# KiCad board Oblique Palette 0.3 PCB.kicad_pcb (continued)
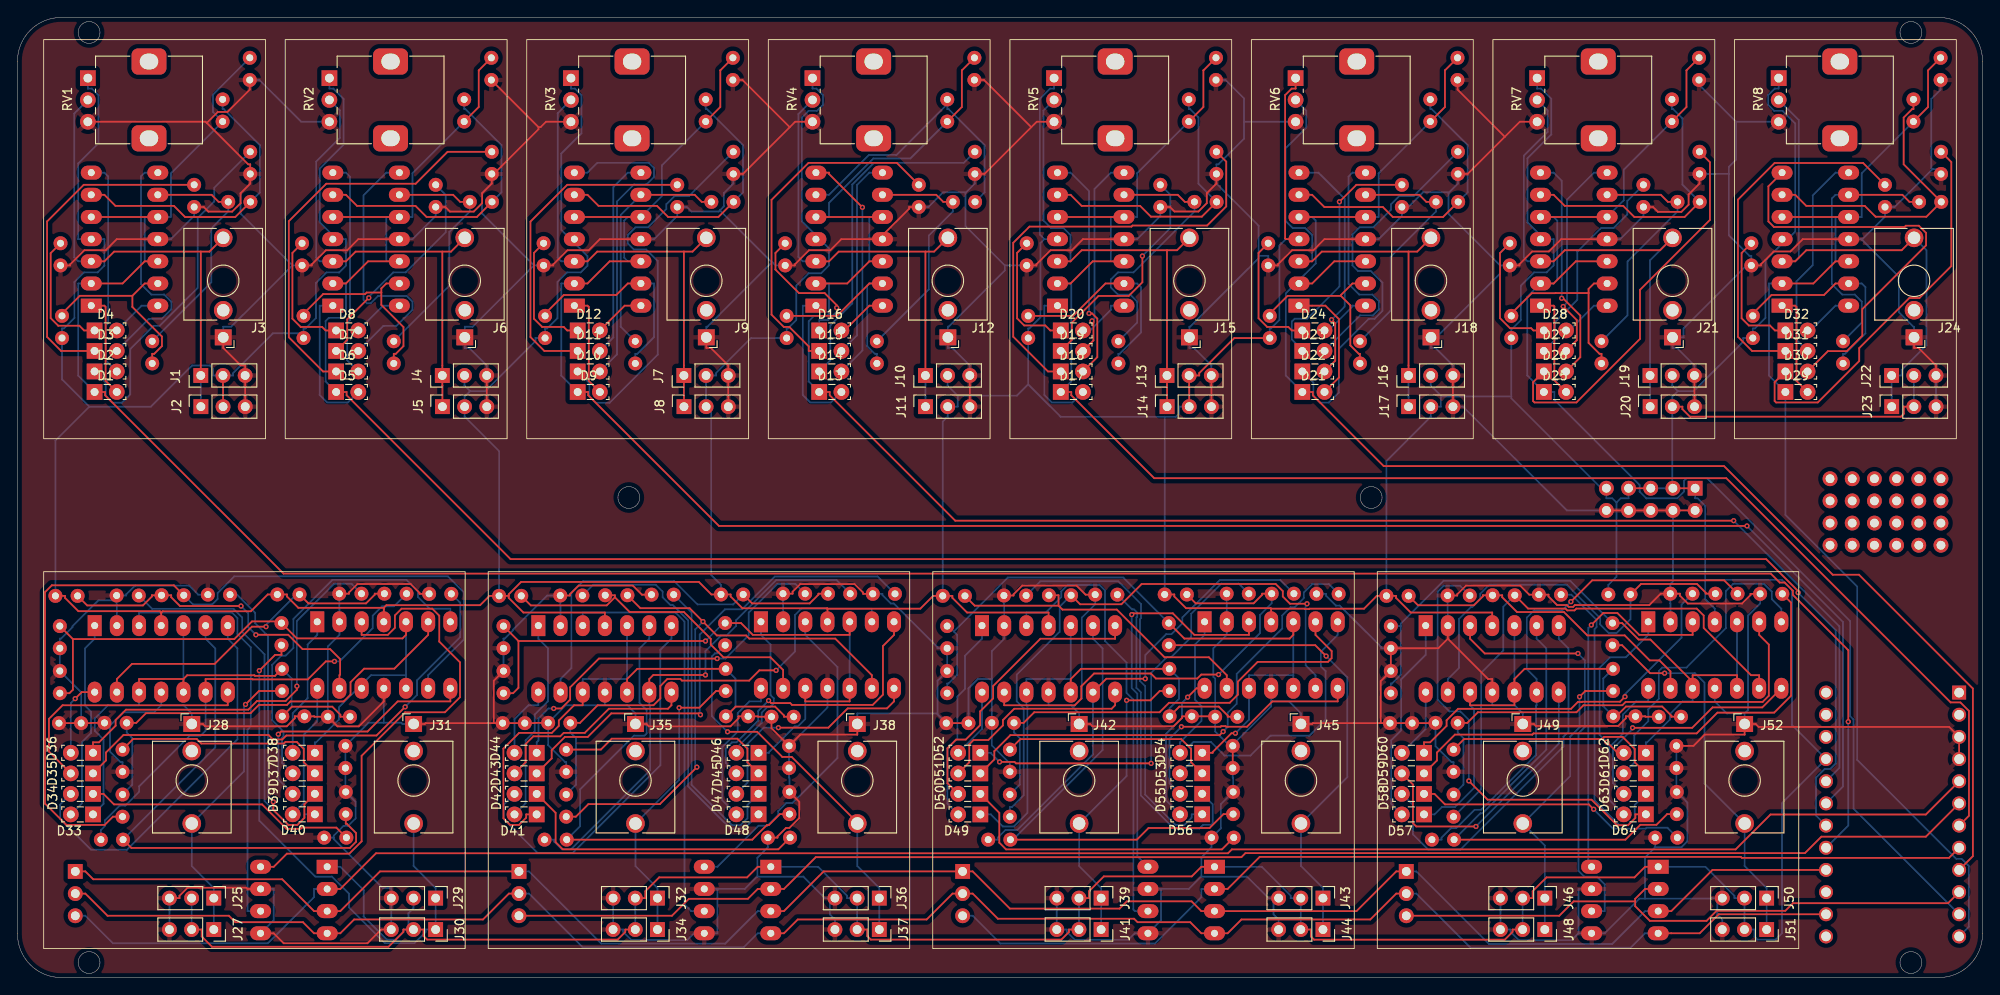
[diagram p0: board, top side]
## Routing (per net, layer and track width the routed paths; a pad name or vN(x,y) marks a point on that pad's centre or on a via; arc(x,y) is an arc through that point) (continued)
  Bottom w0.2: R120.1 126.62,45.83 113.4,45.83 107.21,39.64 ; v1(139.46,27.99) 141,29.54 141,34.64 146.09,34.64 ; U18.10 146.09,34.64 ; 146.09,34.64 U18.5 ; 107.21,39.64 107.59,39.26 107.59,34.68 106.59,33.68 106.45,33.68 R122.2 ; 107.21,39.64 106.58,40.27 R121.1
Net-(D54-A): length 33.9
  Bottom w0.2: 151.16,40.76 151.16,39.26 149.24,37.34 149.24,35.65 149.78,35.11 149.78,29.56 147.94,27.72 143.46,27.72 141.18,25.43 138.2,25.43 136.64,26.99 134.66,26.99 134.38,26.72 134.38,24.67 D54.2
Net-(D54-K): length 25
  Top w0.2: R125.1 114.83,27.32 133.25,27.32 134.38,26.19 134.38,24.67 D54.1
Net-(D55-A): length 29.4
  Top w0.2: v1(133.27,28.74) 137.76,28.74 137.83,28.8 138.32,28.8 138.39,28.74 140.78,28.74 143.69,31.64 151.16,31.64 151.16,33.14
  Bottom w0.2: D55.2 131.9,22.26 131.9,27.37 v1(133.27,28.74)
Net-(D55-K): length 38.2
  Bottom w0.2: D55.1 136.85,19.85 136.85,17.67 136.68,17.5 135.75,17.5 135.32,17.07 132.42,17.07 128.63,20.86 128.63,32.68 128.12,33.19 128.12,41.26 128.21,41.35 128.21,41.81 127.83,42.19 127.62,42.19 R127.1
Net-(D56-A): length 17.5
  Top w0.2: v1(133.98,32.12) 135,33.14 U18.14
  Bottom w0.2: v1(133.98,32.12) 133.33,31.47 133.33,29.74 131.5,27.91 131.5,20.31 D56.2
Net-(D56-K): length 45.7
  Bottom w0.2: R129.1 117.12,45.4 126.03,45.4 128.65,42.78 128.65,41.18 128.53,41.06 128.53,33.98 129.12,33.4 129.12,20.97 132.59,17.5 133.62,17.5 134.45,18.32 134.45,18.7 D56.1
Net-(D57-A): length 23.8
  Bottom w0.2: U19.1 161.24,36.97 158.42,34.15 158.42,28.32 157.29,27.19 157.29,19.91 D57.2
Net-(D57-K): length 62.3
  Top w0.2: U19.12 166.32,31.2 171.4,31.2 U19.10 171.4,34.2 172.57,35.37 R131.1 ; R132.1 183.06,29.93 184.17,31.05 188.32,31.05 189.37,30 189.37,29.88 R133.2
  Bottom w0.2: R131.1 181.57,34.25 181.57,31.08 R132.1 ; D57.1 162.25,18.69 163.09,19.53 164.58,19.53 166.78,21.73 166.78,30.74 166.32,31.2 U19.12 ; U19.10 U19.5
Net-(D58-A): length 42.6
  Bottom w0.2: U19.7 176.48,38.82 177.59,37.71 177.59,28.17 177.02,27.6 177.02,26.47 165.22,14.66 161.52,14.66 159.78,16.41 159.78,19.77 D58.2
Net-(D58-K): length 31.2
  Top w0.2: D58.1 162.25,21.04 163.45,19.84 179.92,19.84 v1(180.48,19.28)
  Bottom w0.2: v1(180.48,19.28) 182.69,17.06 186.42,17.06 186.52,17.16 188.93,17.16 R136.1
Net-(D59-A): length 32.9
  Top w0.2: v1(166.99,17.31) 160.15,17.31 159.78,17.69 159.78,22.12 D59.2
  Bottom w0.2: v1(166.99,17.31) 176.48,26.8 U19.8
Net-(D59-K): length 58.3
  Top w0.2: D59.1 162.53,24.87 162.53,25.78 164.59,27.83 173.45,27.83 173.59,27.97 192.27,27.97 194.65,30.35 201.14,30.35 203.07,32.29 203.07,42.96 R138.1
Net-(D60-A): length 8.1
  Bottom w0.2: D60.2 161.24,28.48 U19.14
Net-(D60-K): length 41.8
  Top w0.2: D60.1 161.05,26.95 161.75,26.95 163.63,28.83 163.63,29.47 164.95,30.79 177.89,30.79 178.66,31.57 179.11,31.57 179.14,31.6 183.48,31.6 v1(184.06,32.18)
  Bottom w0.2: R140.1 190.53,42.72 190.53,38.94 184.06,32.47 v1(184.06,32.18)
Net-(D61-A): length 19.9
  Top w0.2: v1(181.99,26.97) 183.21,25.75 D61.2
  Bottom w0.2: v1(181.99,26.97) 181.16,27.81 181.16,35.49 182.36,36.69 184.16,36.69 186.72,39.26 U21.1
Net-(D61-K): length 76
  Top w0.2: 191.81,33.89 186.97,38.72 185.62,38.72 183.73,40.61 R142.1 ; 191.81,33.89 U21.12 ; 191.81,33.89 191.81,34.64 196.88,34.64 U21.10
  Bottom w0.2: D61.1 186.45,26.95 186.6,26.95 189.21,29.56 189.21,30.18 190.66,31.64 191.81,31.64 U21.12 ; U21.10 U21.5 ; R144.2 157.25,33.68 157.38,33.68 158.39,34.69 158.39,40.27 ; 158.39,40.27 R143.1 ; 158.39,40.27 158.39,40.55 163.29,45.46 177.79,45.46 R142.1
Net-(D62-A): length 37.2
  Bottom w0.2: D62.2 185.12,24.61 185.12,27.76 186.72,29.37 186.72,30.73 187.94,31.94 187.94,35.13 188.32,35.51 191.1,35.51 195.62,40.03 195.62,44.28 196.44,45.1 199.98,45.1 200.87,44.22 200.87,43.36 201.97,42.26 U21.7
Net-(D62-K): length 25.2
  Top w0.2: D62.1 185.18,24.67 185.18,26.18 183.79,27.57 181.66,27.57 181.42,27.33 165.64,27.33 R147.1
Net-(D63-A): length 27.9
  Top w0.2: U21.8 199.78,30.95 194.09,30.95 191.76,28.62 v1(184.93,28.62)
  Bottom w0.2: v1(184.93,28.62) 184.93,28.47 182.68,26.22 182.68,22.28 D63.2
Net-(D63-K): length 35.5
  Bottom w0.2: R149.1 177.92,43.87 180.81,40.98 180.81,40.15 180.57,39.91 180.57,20.3 183.41,17.46 184.4,17.46 185.18,18.24 185.18,19.78 D63.1
Net-(D64-A): length 17.8
  Bottom w0.2: U21.14 186.72,31.64 185.33,31.64 183.82,30.13 183.82,27.95 182.25,26.37 182.25,20.36 D64.2
Net-(D64-K): length 51.4
  Top w0.2: D64.1 185.25,18.7 185.25,18.29 184.42,17.46 183.15,17.46 180.23,20.38 168.33,20.38 v1(166.18,22.53)
  Bottom w0.2: v1(166.18,22.53) 166.18,29.52 165.21,30.49 163.96,30.49 162.61,31.84 162.61,44.2 163.3,44.89 165.17,44.89 R151.1
Net-(J1-Pin_1): length 54.8
  Top w0.2: 20.99,83.17 J1.1 ; 20.99,83.17 21.98,83.17 J3.T ; 20.99,83.17 11.06,83.17 9.95,82.06 U1.3
  Bottom w0.2: J2.1 21,66.56 20.99,66.57 J1.1 ; RV1.2 6.5,98.99 6.5,82.51 6.95,82.06 U1.3
Net-(J4-Pin_1): length 55.8
  Top w0.2: U2.3 37.61,82.06 38.72,83.17 48.65,83.17 ; 48.65,83.17 49.64,83.17 J6.T ; 48.65,83.17 J4.1 48.65,67.83 48.66,67.82 J5.1
  Bottom w0.2: RV2.2 36.92,99.35 36.92,96.21 34.2,93.49 34.2,82.46 34.61,82.06 U2.3
Net-(J7-Pin_1): length 54.8
  Top w0.2: J8.1 76.31,66.56 76.3,66.57 J7.1 76.3,83.17 ; J9.T 77.3,83.17 76.3,83.17 ; U3.3 65.27,82.06 66.38,83.17 76.3,83.17
  Bottom w0.2: RV3.2 61.85,99.03 61.85,82.47 62.26,82.06 U3.3
Net-(J10-Pin_1): length 54.9
  Top w0.2: 103.96,83.17 104.95,83.17 J12.T ; 103.96,83.17 J10.1 ; 103.96,83.17 94.03,83.17 92.92,82.06 U4.3
  Bottom w0.2: J10.1 103.96,66.57 103.97,66.56 J11.1 ; RV4.2 89.41,98.93 89.41,82.57 89.92,82.06 U4.3
Net-(J13-Pin_1): length 56.8
  Top w0.2: 131.62,83.33 132.77,83.33 J15.T ; 131.62,83.33 J13.1 131.62,67.83 131.63,67.82 J14.1 ; 131.62,83.33 121.85,83.33 120.58,82.06 U5.3
  Bottom w0.2: U5.3 120.58,82.06 120.58,85.06 119.77,85.87 118.34,85.87 117.47,86.74 117.47,99.34 RV5.2
Net-(J16-Pin_1): length 57.6
  Top w0.2: J16.1 159.28,83.17 ; 159.28,83.17 149.35,83.17 148.24,82.06 U6.3 ; 159.28,83.17 160.27,83.17 J18.T
  Bottom w0.2: U6.3 148.24,82.06 148.24,85.08 147.45,85.87 146.02,85.87 145.19,86.7 145.19,95.01 147.56,97.38 147.56,99.33 RV6.2 ; J16.1 159.28,66.57 159.28,66.56 J17.1
Net-(J19-Pin_1): length 58.4
  Top w0.2: U7.3 175.89,82.06 177.16,83.33 188.08,83.33 J21.T
  Bottom w0.2: RV7.2 175.21,99.35 175.21,96.89 172.49,94.17 172.49,82.46 172.89,82.06 U7.3 ; J20.1 186.94,67.82 186.93,67.83 J19.1 186.93,82.18 J21.T
Net-(J22-Pin_1): length 59.6
  Top w0.2: U8.3 203.55,82.06 204.82,83.33 215.74,83.33 J24.T
  Bottom w0.2: RV8.2 203.96,98.25 203.96,82.47 203.55,82.06 U8.3 ; J24.T 218.58,83.33 218.58,72.44 215.74,69.61 215.74,68.98 J22.1 214.59,66.57 214.6,66.56 J23.1
Net-(J25-Pin_1): length 34.2
  Top w0.2: R65.2 27.65,32.83 v1(26.11,31.29)
  Bottom w0.2: v1(26.11,31.29) 25.94,31.12 25.94,23.63 J28.T 19.96,12.77 22.48,10.25 J25.1 J27.1
Net-(J29-Pin_1): length 62.5
  Top w0.2: 30.23,38.08 30.23,36.97 29.5,36.97 v1(27.69,35.17)
  Bottom w0.2: J31.T 45.36,12.77 47.88,10.25 J29.1 J30.1 46.73,5.5 46.73,5.21 45.46,3.95 42.05,3.95 37.96,8.04 37.96,9.61 36.01,11.56 34.1,11.56 27.69,17.98 v1(27.69,35.17)
Net-(J32-Pin_1): length 34.7
  Top w0.2: v1(75.76,30.92) 78.08,30.92 79.99,32.83 R87.2
  Bottom w0.2: v1(75.76,30.92) 75.76,22.65 J35.T 70.76,12.77 73.28,10.25 J32.1 J34.1
Net-(J36-Pin_1): length 43.9
  Top w0.2: v1(81.3,28.16) 84.69,28.16 87.58,25.28 88.65,25.28 96.16,17.77 J38.T
  Bottom w0.2: v1(81.3,28.16) 79.51,29.95 79.51,36.8 79.86,37.15 80.1,37.15 81.03,38.08 ; J37.1 J36.1 98.68,10.25 96.16,12.77 J38.T
Net-(J39-Pin_1): length 34.9
  Top w0.2: R109.2 130.79,32.83 129.72,31.76 v1(127,31.76)
  Bottom w0.2: J41.1 J39.1 124.08,10.25 121.56,12.77 J42.T 127,23.09 v1(127,31.76)
Net-(J43-Pin_1): length 54.1
  Top w0.2: v1(149.84,36.83) 148.6,38.08 131.83,38.08
  Bottom w0.2: v1(149.84,36.83) 152.27,34.41 152.27,22.96 J45.T 146.96,12.77 149.48,10.25 J43.1 J44.1
Net-(J46-Pin_1): length 34.5
  Top w0.2: v1(178.86,32.17) 179.52,32.83 R131.2
  Bottom w0.2: v1(178.86,32.17) 178.86,28.68 177.79,27.6 177.79,23.08 J49.T 174.88,15.13 J46.1 J48.1
Net-(J50-Pin_1): length 43.5
  Top w0.2: v1(188.6,34.87) 186.94,34.87 183.73,38.08 182.63,38.08
  Bottom w0.2: J51.1 J50.1 200.28,10.25 197.76,12.77 J52.T 193.16,22.25 193.16,33.78 192.07,34.87 v1(188.6,34.87)
Net-(U1B--): length 34
  Top w0.2: U1.6 9.95,89.68 11.22,88.41 17.92,88.41 19.19,87.13 24.94,87.13 R4.1
  Bottom w0.2: R4.1 27.76,89.95 27.76,95.36 23.61,99.51 23.49,99.51 R2.2
Net-(U1C--): length 28
  Top w0.2: R4.2 23.03,88.87 22.22,89.68 U1.9
  Bottom w0.2: R4.2 24.13,87.77 22.19,85.83 22.19,79.66 R6.1
Net-(U1D--): length 22.4
  Top w0.2: R6.2 15.43,71.46 15.66,71.46 16.54,72.34 16.54,73.44 13.16,76.83 13.16,78.11 ; 13.16,78.11 7.14,78.11 5.1,76.07 R8.1 ; 13.16,78.11 14.57,79.52 U1.13
Net-(U2B--): length 34
  Top w0.2: U2.6 37.61,89.68 38.88,88.41 45.57,88.41 46.85,87.14 52.6,87.14 R12.1
  Bottom w0.2: R10.2 51.15,99.51 51.28,99.51 55.42,95.37 55.42,89.96 R12.1
Net-(U2C--): length 28
  Top w0.2: R12.2 50.69,88.87 49.88,89.68 U2.9
  Bottom w0.2: R14.1 49.44,79.25 49.44,85.42 51.79,87.77 R12.2
Net-(U2D--): length 22.7
  Top w0.2: 41.66,78.48 39.98,78.48 39.81,78.31 35,78.31 32.76,76.06 R16.1 ; 41.66,78.48 41.66,78.96 42.23,79.52 U2.13 ; 41.66,78.48 41.66,77.06 44.2,74.53 44.2,72.34 43.32,71.46 43.09,71.46 R14.2
Net-(U3B--): length 34
  Top w0.2: U3.6 65.27,89.68 66.54,88.41 73.23,88.41 74.5,87.14 80.26,87.14 R20.1
  Bottom w0.2: R20.1 83.08,89.96 83.08,95.37 78.94,99.51 78.8,99.51 R18.2
Net-(U3C--): length 26.8
  Top w0.2: R20.2 78.35,88.87 77.54,89.68 U3.9
  Bottom w0.2: R22.1 69.07,74.57 69.07,87.37 U3.9
Net-(U3D--): length 24.3
  Top w0.2: R24.1 60.41,76.06 62.55,78.2 68.56,78.2 69.88,79.52 U3.13
  Bottom w0.2: U3.13 72.89,79.52 72.89,73.38 70.97,71.46 70.74,71.46 R22.2
Net-(U4B--): length 33.4
  Bottom w0.2: R26.2 106.46,100.06 ; 106.46,100.06 100.65,94.25 97.49,94.25 92.92,89.68 U4.6 ; 106.46,100.06 106.46,99.51 106.6,99.51 110.73,95.37 110.73,89.96 R28.1
Net-(U4C--): length 28
  Top w0.2: R28.2 106,88.87 105.19,89.68 99.04,89.68
  Bottom w0.2: R28.2 107.11,87.77 104.35,85.02 104.35,78.85 R30.1
Net-(U4D--): length 23.9
  Top w0.2: 99.04,79.52 97.54,79.52 93.83,75.81 R32.1
  Bottom w0.2: 99.04,79.52 97.54,79.52 97.3,79.28 97.3,72.34 98.17,71.46 98.4,71.46 R30.2
Net-(U5B--): length 33.1
  Top w0.2: R36.1 135.61,87.18 129.78,87.18 128.54,88.41 121.85,88.41 120.58,89.68 U5.6
  Bottom w0.2: R36.1 135.22,90.95 135.22,98.54 134.26,99.51 134.12,99.51 R34.2
Net-(U5C--): length 32.3
  Top w0.2: U5.9 132.85,89.68 133.66,88.87 R36.2
  Bottom w0.2: R38.1 128.2,75.04 128.2,77.45 127.4,78.25 126.01,78.25 125.19,79.07 125.19,79.98 126,80.79 127.78,80.79 134.76,87.77 R36.2
Net-(U5D--): length 24.5
  Top w0.2: U5.13 124.57,79.52 120.86,75.81 R40.1
  Bottom w0.2: R38.2 126.06,71.46 126.2,71.46 128.65,73.91 128.65,79.07 128.2,79.52 U5.13
Net-(U6B--): length 34
  Top w0.2: R44.1 163.23,87.14 157.47,87.14 156.33,88.28 149.64,88.28 148.24,89.68 U6.6
  Bottom w0.2: R44.1 166.04,89.95 166.04,95.38 161.91,99.51 161.78,99.51 R42.2
Net-(U6C--): length 28
  Top w0.2: U6.9 160.51,89.68 161.32,88.87 R44.2
  Bottom w0.2: R44.2 162.42,87.77 157.24,82.59 157.24,76.43 R46.1
Net-(U6D--): length 21.4
  Top w0.2: R46.2 153.72,71.46 153.58,71.46 152.61,72.43 152.61,77.02 151.53,78.1 ; U6.13 152.85,79.52 151.53,78.2 151.53,78.1 ; R48.1 143.38,76.06 145.42,78.1 151.53,78.1
Net-(U7B--): length 33.1
  Top w0.2: U7.6 175.89,89.68 177.16,88.41 183.86,88.41 185.13,87.14 190.89,87.14 R52.1
  Bottom w0.2: R52.1 190.64,90.85 190.64,98.44 189.57,99.51 189.43,99.51 R50.2
Net-(U7C--): length 28
  Top w0.2: U7.9 188.17,89.68 188.98,88.87 R52.2
  Bottom w0.2: R52.2 190.08,87.77 184.35,82.04 184.35,75.88 R54.1
Net-(U7D--): length 21.7
  Top w0.2: U7.13 180.51,79.52 179.89,78.9 179.89,78.43 ; 179.89,78.43 176.12,78.43 176.1,78.41 173.39,78.41 171.04,76.06 R56.1 ; 179.89,78.43 179.89,72.71 181.14,71.46 181.37,71.46 R54.2
Net-(U8B--): length 34
  Top w0.2: U8.6 203.55,89.68 204.82,88.41 211.52,88.41 212.76,87.17 218.57,87.17 R60.1 215.97,93.18 215.97,98.53 216.95,99.51 217.09,99.51 R58.2
Net-(U8C--): length 30
  Top w0.2: U8.9 215.82,89.68 216.63,88.87 R60.2
  Bottom w0.2: U8.9 208.17,89.68 207.75,89.26 207.75,79.44 208.94,78.25 210.37,78.25 211.18,77.44 211.18,75.05 R62.1
Net-(U8D--): length 24.7
  Top w0.2: R64.1 198.7,76.06 200.84,78.2 206.85,78.2 208.17,79.52 U8.13
  Bottom w0.2: U8.13 211.17,79.52 211.59,79.1 211.59,73.79 209.26,71.46 209.03,71.46 R62.2
Net-(U9B--): length 60.4
  Top w0.2: R71.1 13.04,14.85 38.06,14.85 38.77,15.56 38.77,16.56 37.7,17.62 37.59,17.62 R69.2
  Bottom w0.2: U9.6 21.54,38.82 22.65,37.71 22.65,26.36 R71.1
Net-(U9C--): length 52.4
  Top w0.2: U9.9 21.54,34.2 26.88,34.2 26.93,34.16 33.25,34.16 35.31,36.22 v1(36.29,36.22)
  Bottom w0.2: R71.2 9.55,16.9 10.01,17.36 10.01,18 11.7,19.7 12.35,19.7 13.93,21.28 13.93,21.9 19.74,27.72 20.98,27.72 21.54,28.28 U9.9 ; R73.1 43.11,42.54 41.76,42.54 40.67,41.46 40.67,40.04 36.86,36.22 v1(36.29,36.22)
Net-(U9D--): length 37.2
  Top w0.2: U9.13 11.38,34.2 13.12,35.94 22.59,35.94 26.84,40.2 v1(28.46,40.2) ; R75.1 33.32,42.86 39.91,42.86 40.91,43.87 40.91,43.98 R73.2
  Bottom w0.2: R75.1 31.94,43.89 28.46,40.41 v1(28.46,40.2)
Net-(U10-VA): length 59.7
  Top w0.2: U11.3 39.41,39.26 42.4,39.26 43.22,40.07 43.22,41.49 43.99,42.26 47.49,42.26 48.3,41.46 48.3,38.49 50.67,36.11 50.67,32.12 48.95,30.39 44.4,30.39 39.4,25.4 39.4,15.61 37.99,14.19 30.84,14.19 29.34,12.69 U10.8
Net-(U10-VB): length 48.9
  Bottom w0.2: U10.6 26.34,7.61 26.34,28.4 26.72,28.77 26.72,37.84 25.18,39.37 25.18,41.2 24.56,41.82 13.92,41.82 U9.3
Net-(U11B--): length 50
  Top w0.2: 47.02,40.76 47.02,39.26 43.16,35.39 39.69,35.39 38.13,33.83 38.13,32.42 37.35,31.63 31.26,31.63 30.86,31.23 27.63,31.23 26.69,30.29 14.72,30.29 13.61,29.18 R80.2
  Bottom w0.2: R80.2 12.5,28.08 13.14,27.44 13.14,22.08 R82.1
Net-(U11C--): length 98.9
  Top w0.2: R82.2 10.93,18.43 9.99,17.49 5.6,17.49 3.15,19.93 3.15,44.16 3.93,44.94 17.9,44.94 R84.1
  Bottom w0.2: 47.02,33.14 47.02,34.64 51.12,38.74 51.12,44.12 49.28,45.97 24.82,45.97 22.92,44.06 22.92,43.38 22.29,42.75 20.09,42.75 R84.1
Net-(U11D--): length 38.5
  Top w0.2: U11.13 36.87,34.64 36.94,34.72 36.94,36.49 35.81,37.62 32.65,37.62 31,39.27 v1(27.3,39.27) ; v1(25.59,42.57) 18.61,42.57 17.6,43.57 17.6,43.8 R84.2 15.4,43.8 15.4,43.66 14.37,42.63 7.98,42.63 R86.1
  Bottom w0.2: v1(25.59,42.57) 26.42,41.74 26.42,40.16 v1(27.3,39.27)
Net-(U13A-+): length 48.6
  Bottom w0.2: U14.6 77.14,7.61 76.37,8.37 76.37,40.78 75.34,41.82 64.72,41.82 U13.3
Net-(U13B--): length 56.5
  Top w0.2: R91.2 87.29,18.72 86.03,17.47 85.8,17.47 84.13,15.8 R93.1
  Bottom w0.2: U13.6 72.34,38.82 71.22,37.7 71.22,31.48 72.04,30.67 72.04,27.97 71.79,27.72 70.58,27.72 64.42,21.56 64.42,17.33 R93.1
Net-(U13C--): length 57.3
  Top w0.2: v1(78.77,34.66) 72.8,34.66 72.34,34.2 U13.9
  Bottom w0.2: v1(78.77,34.66) 78.77,37.4 80.55,39.18 81.18,39.18 82.28,40.28 82.28,40.95 86.88,45.55 93.78,45.55 R95.1 ; U13.9 72.34,31.2 72.44,31.1 72.44,23.75 63.38,14.69 62.33,14.69 61.45,15.57 61.45,15.8 R93.2
Net-(U13D--): length 44.4
  Top w0.2: R97.1 84.12,42.87 90.71,42.87 91.71,43.87 91.71,43.98 R95.2
  Bottom w0.2: R97.1 81.96,42.75 77.86,42.75 75.2,45.42 64.77,45.42 63.42,44.06 63.42,35.44 62.18,34.2 U13.13
Net-(U14-VA): length 37.8
  Bottom w0.2: U15.3 90.2,39.26 93.89,35.57 93.89,25.16 88.73,20 88.04,20 87.1,19.06 87.1,18.64 85.86,17.39 84.85,17.39 80.14,12.69 U14.8
Net-(U15B--): length 53.8
  Top w0.2: v1(86.86,35.19) 84.95,35.19 83.77,34.02 76.09,34.02 75.91,34.2 74.41,34.2 73.61,33.4 73.61,31.98 72.83,31.2 66.42,31.2 64.41,29.18 R102.2
  Bottom w0.2: U15.6 97.83,42.26 89.74,42.26 89.02,41.54 89.02,37.35 v1(86.86,35.19) ; R104.1 63.95,22.09 63.95,27.43 63.31,28.08 R102.2
Net-(U15C--): length 67.7
  Top w0.2: v1(77.79,24.11) 73.56,19.87 65.37,19.87 63.93,18.43 R104.2 ; U15.9 97.83,34.64 93.63,38.83 83.8,38.83 83.44,39.19 80.08,39.19 v1(78.49,40.78) 76.96,42.31 71.33,42.31 R106.1
  Bottom w0.2: v1(78.49,40.78) 77.6,39.89 77.6,24.3 v1(77.79,24.11)
Net-(U15D--): length 38.1
  Top w0.2: 68.4,43.57 67.47,42.64 58.77,42.64 R108.1 ; 68.4,43.57 68.4,43.8 R106.2 ; 68.4,43.57 70.1,41.88 76.31,41.88 79.38,38.81 79.38,38.14 80.83,36.69 86.22,36.69 87.67,35.24 U15.13
Net-(U16A-+): length 52.1
  Bottom w0.2: U16.3 115.52,41.82 117.75,41.82 119.51,43.58 119.51,44.24 120.25,44.97 123.91,44.97 124.53,44.35 124.53,38.56 126.99,36.09 126.99,32.61 127.77,31.84 127.77,7.78 127.94,7.61 U17.6
Net-(U16B--): length 56.2
  Top w0.2: R113.2 138.09,18.72 136.5,17.13 129.51,17.13 128.18,15.8 R115.1
  Bottom w0.2: R115.1 113.98,15.8 124.25,26.08 124.25,37.71 123.14,38.82 U16.6
Net-(U16C--): length 54.3
  Top w0.2: U16.9 124.67,34.23 v1(129.13,34.23)
  Bottom w0.2: R117.1 144.58,45.55 137.68,45.55 133.38,41.25 133.38,40.59 132.14,39.34 131.53,39.34 129.13,36.95 v1(129.13,34.23) ; R115.2 112.25,15.8 112.25,16.03 113.13,16.9 114.48,16.9 123.14,25.57 U16.9
Net-(U16D--): length 51.3
  Top w0.2: v1(137.52,34.71) 135.54,34.71 135.08,34.26 130.36,34.26 129.78,34.83 123.27,34.83 121.81,33.38 121.81,31.95 121.06,31.2 112.98,31.2 U16.13 ; R119.1 134.91,42.88 141.54,42.88 142.51,43.84 142.51,43.98 R117.2
  Bottom w0.2: v1(137.52,34.71) 142.28,39.46 142.28,41.54 143.61,42.88 R117.2
Net-(U17-VA): length 45.7
  Top w0.2: 141,40.76 141,39.26 134.76,39.26 132.29,41.73 127.73,41.73 v1(127.59,41.58)
  Bottom w0.2: U17.8 128.23,13.9 128.23,32.52 127.59,33.16 v1(127.59,41.58)
Net-(U18B--): length 54.2
  Top w0.2: R124.2 115.21,29.18 116.42,30.39 130.77,30.39 131.86,31.48 138.8,31.48 139.74,32.41 139.74,33.9 142,36.17 150.05,36.17 150.47,36.59 150.47,37.41 148.62,39.26 U18.6
  Bottom w0.2: R126.1 114.77,22.11 114.77,27.41 114.1,28.08 R124.2
Net-(U18C--): length 69
  Top w0.2: R128.1 121.67,42.77 126.4,42.77 128.72,45.09 144.07,45.09 144.88,44.28 144.88,43.65 145.71,42.83 v1(147.65,42.83)
  Bottom w0.2: R128.1 119.33,42.49 119.33,39.62 114.41,34.7 114.41,31.66 115.22,30.85 115.22,20.89 113.86,19.53 113.63,19.53 R126.2 ; U18.9 148.62,34.64 147.5,35.77 147.5,42.67 v1(147.65,42.83)
Net-(U18D--): length 37.5
  Top w0.2: 119.2,42.61 119.65,42.16 125.88,42.16 131.34,36.69 136.41,36.69 138.47,34.64 U18.13 ; 119.2,42.61 119.2,43.8 R128.2 ; 119.2,42.61 109.61,42.61 R130.1
Net-(U19A-+): length 48.3
  Top w0.2: U19.3 166.32,38.82 168.01,37.13 v1(178.67,37.13)
  Bottom w0.2: U20.6 181.74,7.61 181.74,10.67 180.86,11.56 179.41,11.56 178.74,12.23 178.74,27.98 179.46,28.71 179.46,36.34 v1(178.67,37.13)
Net-(U19B--): length 56.2
  Top w0.2: R137.1 184.12,15.8 185.82,17.5 187.66,17.5 188.89,18.72 R135.2
  Bottom w0.2: R137.1 167.51,18.82 167.75,18.82 175.05,26.12 175.05,37.71 173.94,38.82 U19.6
Net-(U19C--): length 58.8
  Top w0.2: v1(177.87,43.07) 180.31,45.51 195.42,45.51 R139.1
  Bottom w0.2: R137.2 163.05,15.8 163.05,16.03 164.14,17.11 164.74,17.11 166.85,19.22 167.59,19.22 173.88,25.51 173.88,31.14 173.94,31.2 U19.9 173.94,34.2 172.82,35.32 172.82,41.24 173.66,42.08 176.88,42.08 v1(177.87,43.07)
Net-(U19D--): length 47.5
  Top w0.2: R139.2 193.31,43.98 193.31,44.09 192.31,45.09 185.9,45.09 R141.1
  Bottom w0.2: U19.13 163.78,34.2 165.05,35.47 165.05,41.08 166.43,42.46 166.58,42.46 167.49,43.37 167.49,43.97 168.52,45.01 177.4,45.01 181.21,41.19 181.21,40.46 182.2,39.47 183.1,39.47 184.69,41.07 R141.1
Net-(U20-VA): length 42.7
  Top w0.2: v1(180.21,40.39) 181.58,41.77 183.19,41.77 185.7,39.26 191.81,39.26 U21.3
  Bottom w0.2: U20.8 179.86,13.07 179.86,40.05 v1(180.21,40.39)
Net-(U21B--): length 54.8
  Top w0.2: U21.6 199.43,39.26 200.53,38.16 200.53,32.28 199.82,31.58 184.14,31.58 183.76,31.2 179.31,31.2 178.5,30.39 167.22,30.39 166.01,29.18 R146.2
  Bottom w0.2: R146.2 164.91,28.08 165.57,27.42 165.57,22.11 R148.1
Net-(U21C--): length 62.6
  Top w0.2: U21.9 199.43,34.64 198.49,34.64 193.07,40.05 193.07,41.47 192.28,42.27 178.49,42.27 178.28,42.07 177.45,42.07 177.24,42.27 172.97,42.27 R150.1
  Bottom w0.2: R150.1 170.13,42.49 170.13,37.46 167.59,34.92 167.59,21.59 R148.2
Net-(U21D--): length 36.7
  Top w0.2: R152.1 160.36,42.65 166.76,42.65 167.8,43.69 167.8,43.8 R150.2 170,43.8 170,43.57 171.7,41.87 177.08,41.87 179.75,39.2 184.03,39.2 186.89,36.33 188.01,36.33 189.26,35.08 U21.13

## Copper pours and planes (outline as drawn; the poured copper is in the pictures)
GNDREF on Top, Bottom: -0.8,111.22 -0.67,-0.76 227.39,-1.03 226.79,110.83

## Text on the board
B.Silkscreen: Arduino Pin 2 / Chip Select | Arduino Pin 16 / Serial Data | Arduino Pin 15 / Serial Clock | Arduino Pin 3 / Chip Select | Arduino Pin 5 / Chip Select | Arduino Pin 7 / Chip Select
